# Altium PCB GEM_AFE_128.PcbDoc (part 4 of 18) (continued)
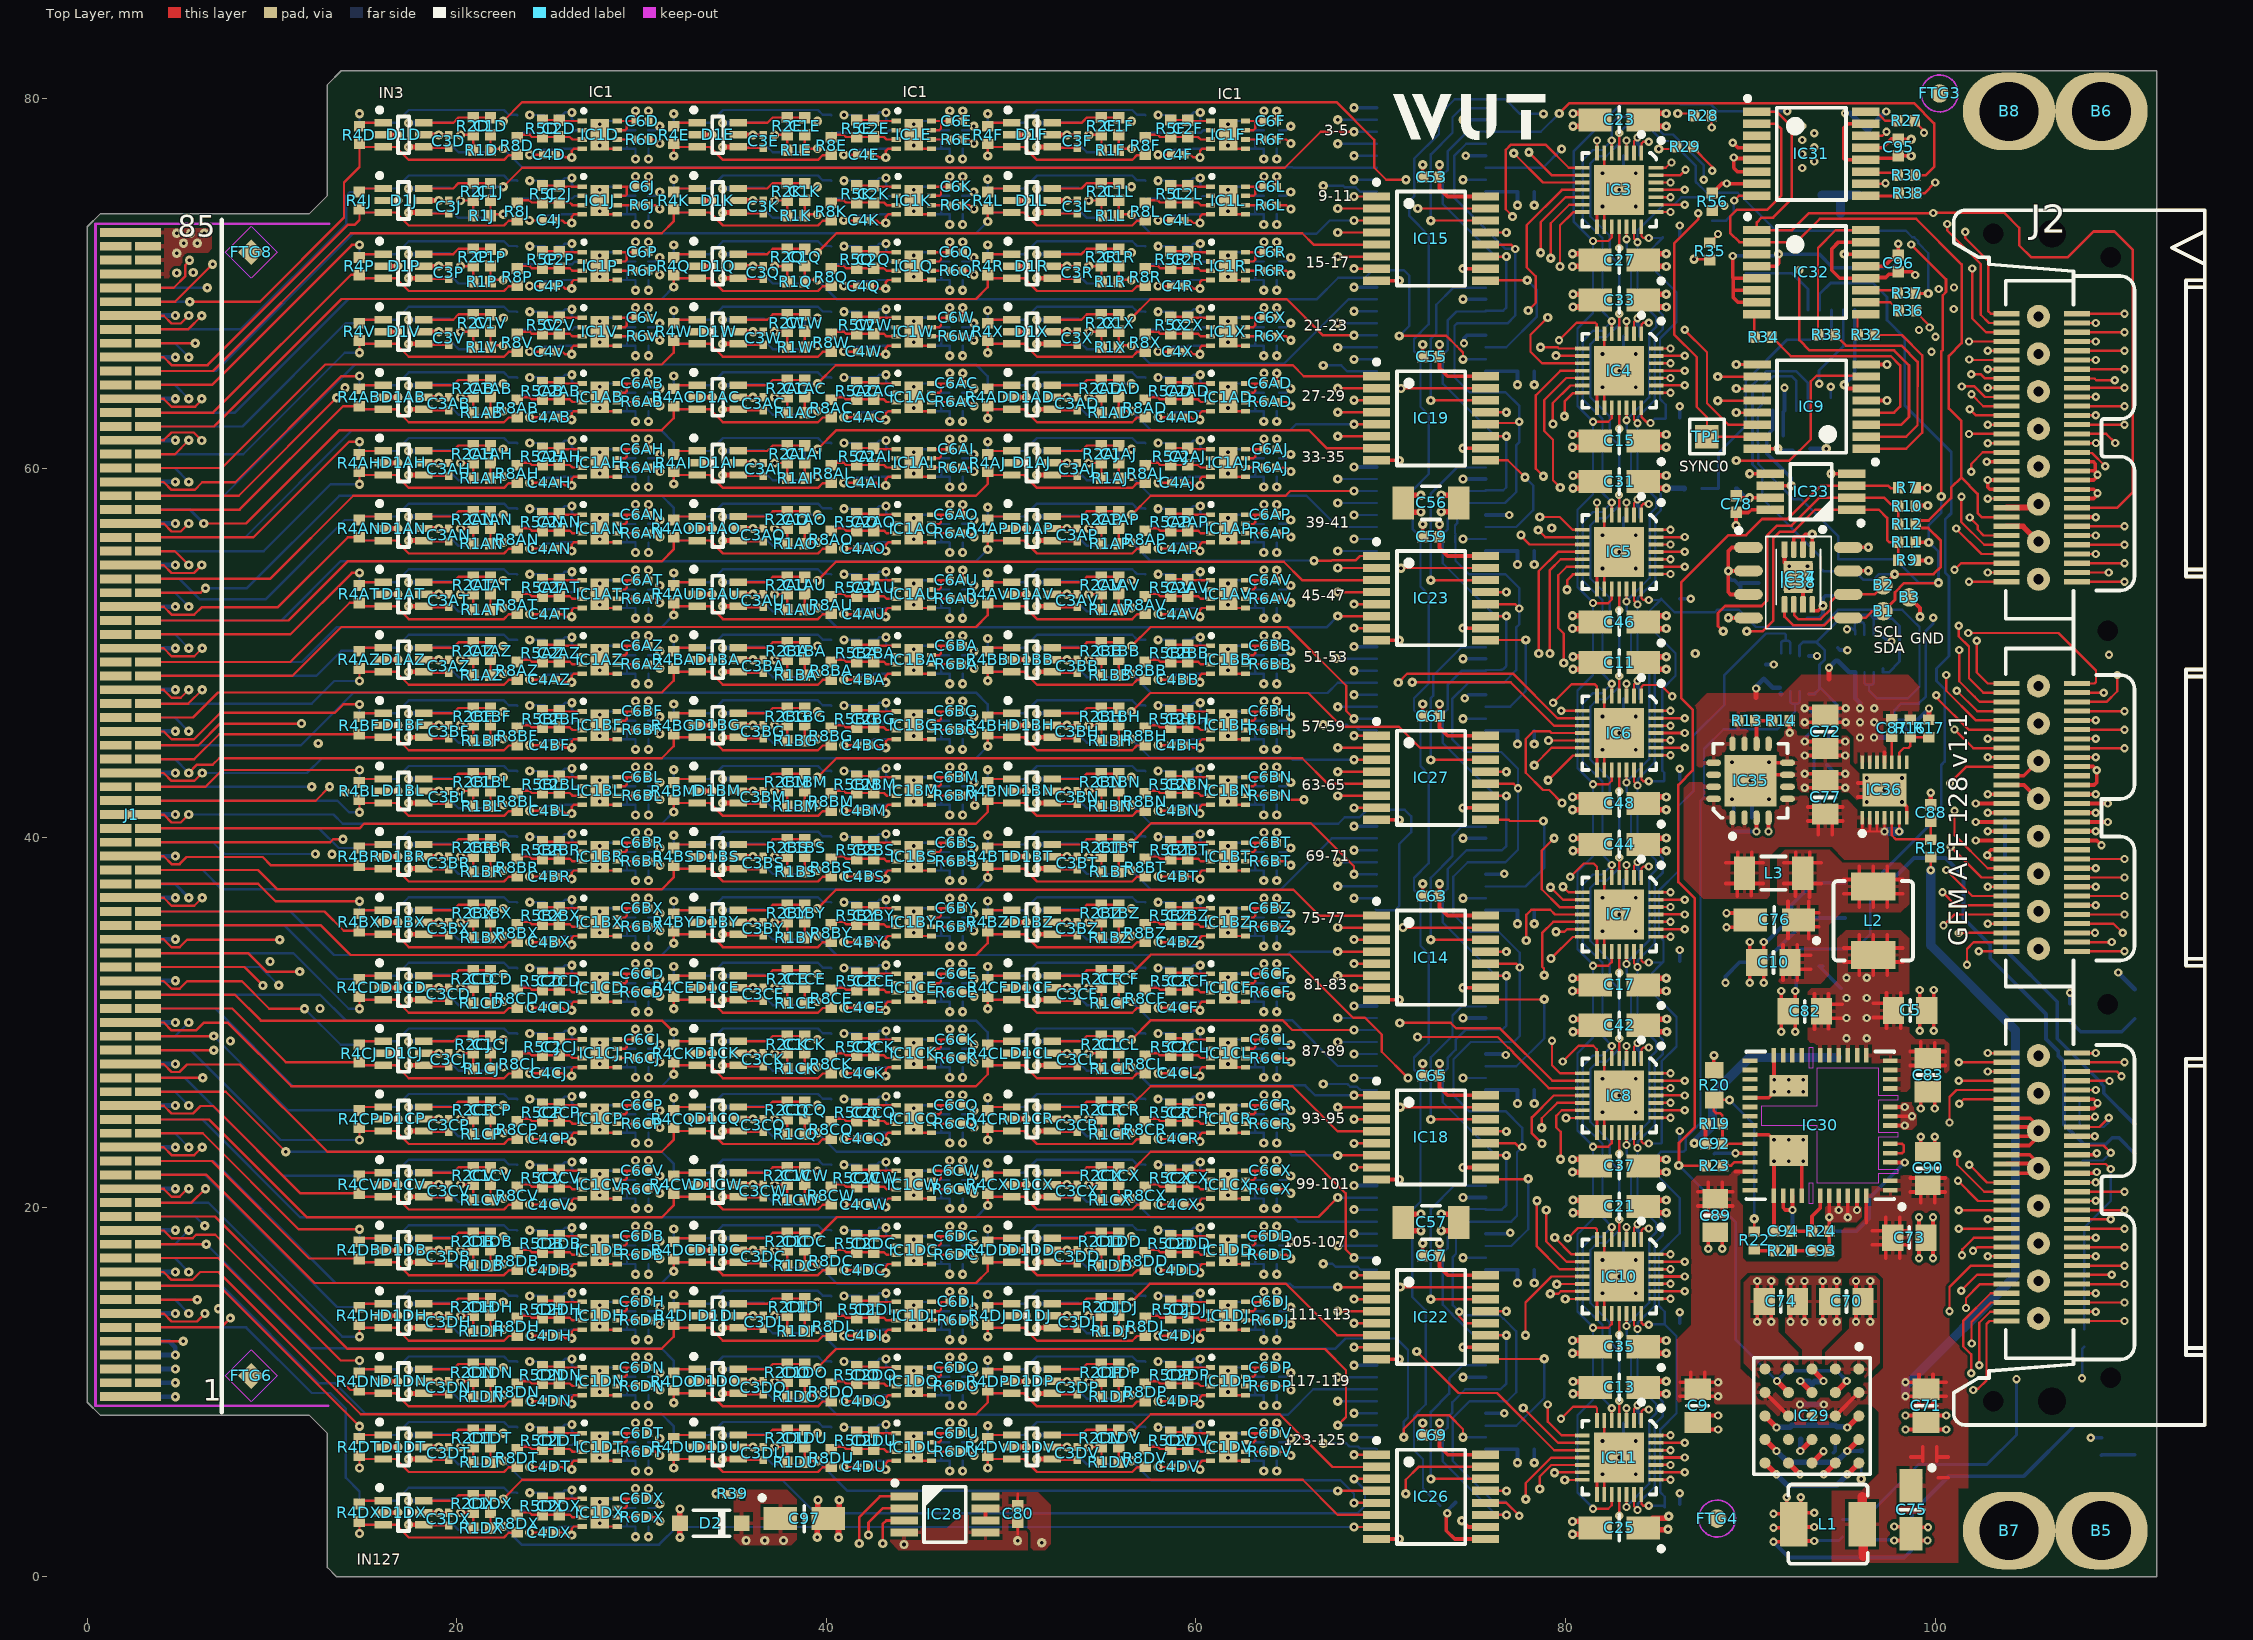
[diagram p0: Top Layer view]
## Components (designator, comment, footprint, x,y, rotation, side; value= is the part's Value field where it differs from the comment) (continued)
R5DG "10k" RESC1005X40N 58.639,13.785 r270 bottom (schematic designator R5)
R5DH "10k" RESC1005X40N 24.639,14.465 r90 top (schematic designator R5)
R5DI "10k" RESC1005X40N 41.639,14.465 r90 top (schematic designator R5)
R5DJ "10k" RESC1005X40N 58.639,14.465 r90 top (schematic designator R5)
R5DK "10k" RESC1005X40N 24.639,10.235 r270 bottom (schematic designator R5)
R5DL "10k" RESC1005X40N 41.639,10.235 r270 bottom (schematic designator R5)
R5DM "10k" RESC1005X40N 58.639,10.235 r270 bottom (schematic designator R5)
R5DN "10k" RESC1005X40N 24.639,10.915 r90 top (schematic designator R5)
R5DO "10k" RESC1005X40N 41.639,10.915 r90 top (schematic designator R5)
R5DP "10k" RESC1005X40N 58.639,10.915 r90 top (schematic designator R5)
R5DQ "10k" RESC1005X40N 24.639,6.685 r270 bottom (schematic designator R5)
R5DR "10k" RESC1005X40N 41.639,6.685 r270 bottom (schematic designator R5)
R5DS "10k" RESC1005X40N 58.639,6.685 r270 bottom (schematic designator R5)
R5DT "10k" RESC1005X40N 24.639,7.365 r90 top (schematic designator R5)
R5DU "10k" RESC1005X40N 41.639,7.365 r90 top (schematic designator R5)
R5DV "10k" RESC1005X40N 58.639,7.365 r90 top (schematic designator R5)
R5DW "10k" RESC1005X40N 24.639,3.135 r270 bottom (schematic designator R5)
R5DX "10k" RESC1005X40N 24.639,3.815 r90 top (schematic designator R5)
R5E "10k" RESC1005X40N 41.639,78.365 r90 top (schematic designator R5)
R5F "10k" RESC1005X40N 58.639,78.365 r90 top (schematic designator R5)
R5G "10k" RESC1005X40N 24.639,74.135 r270 bottom (schematic designator R5)
R5H "10k" RESC1005X40N 41.639,74.135 r270 bottom (schematic designator R5)
R5I "10k" RESC1005X40N 58.639,74.135 r270 bottom (schematic designator R5)
R5J "10k" RESC1005X40N 24.639,74.815 r90 top (schematic designator R5)
R5K "10k" RESC1005X40N 41.639,74.815 r90 top (schematic designator R5)
R5L "10k" RESC1005X40N 58.639,74.815 r90 top (schematic designator R5)
R5M "10k" RESC1005X40N 24.639,70.585 r270 bottom (schematic designator R5)
R5N "10k" RESC1005X40N 41.639,70.585 r270 bottom (schematic designator R5)
R5O "10k" RESC1005X40N 58.639,70.585 r270 bottom (schematic designator R5)
R5P "10k" RESC1005X40N 24.639,71.265 r90 top (schematic designator R5)
R5Q "10k" RESC1005X40N 41.639,71.265 r90 top (schematic designator R5)
R5R "10k" RESC1005X40N 58.639,71.265 r90 top (schematic designator R5)
R5S "10k" RESC1005X40N 24.639,67.035 r270 bottom (schematic designator R5)
R5T "10k" RESC1005X40N 41.639,67.035 r270 bottom (schematic designator R5)
R5U "10k" RESC1005X40N 58.639,67.035 r270 bottom (schematic designator R5)
R5V "10k" RESC1005X40N 24.639,67.715 r90 top (schematic designator R5)
R5W "10k" RESC1005X40N 41.639,67.715 r90 top (schematic designator R5)
R5X "10k" RESC1005X40N 58.639,67.715 r90 top (schematic designator R5)
R5Y "10k" RESC1005X40N 24.639,63.485 r270 bottom (schematic designator R5)
R5Z "10k" RESC1005X40N 41.639,63.485 r270 bottom (schematic designator R5)
R6A "49R9" RESC0603X28N 30.03,78.275 r0 bottom (schematic designator R6)
R6AA "49R9" RESC0603X28N 64.03,64.075 r0 bottom (schematic designator R6)
R6AB "49R9" RESC0603X28N 30.025,63.575 r0 top (schematic designator R6)
R6AC "49R9" RESC0603X28N 47.025,63.575 r0 top (schematic designator R6)
R6AD "49R9" RESC0603X28N 64.025,63.575 r0 top (schematic designator R6)
R6AE "49R9" RESC0603X28N 30.03,60.525 r0 bottom (schematic designator R6)
R6AF "49R9" RESC0603X28N 47.03,60.525 r0 bottom (schematic designator R6)
R6AG "49R9" RESC0603X28N 64.03,60.525 r0 bottom (schematic designator R6)
R6AH "49R9" RESC0603X28N 30.025,60.025 r0 top (schematic designator R6)
R6AI "49R9" RESC0603X28N 47.025,60.025 r0 top (schematic designator R6)
R6AJ "49R9" RESC0603X28N 64.025,60.025 r0 top (schematic designator R6)
R6AK "49R9" RESC0603X28N 30.03,56.975 r0 bottom (schematic designator R6)
R6AL "49R9" RESC0603X28N 47.03,56.975 r0 bottom (schematic designator R6)
R6AM "49R9" RESC0603X28N 64.03,56.975 r0 bottom (schematic designator R6)
R6AN "49R9" RESC0603X28N 30.025,56.475 r0 top (schematic designator R6)
R6AO "49R9" RESC0603X28N 47.025,56.475 r0 top (schematic designator R6)
R6AP "49R9" RESC0603X28N 64.025,56.475 r0 top (schematic designator R6)
R6AQ "49R9" RESC0603X28N 30.03,53.425 r0 bottom (schematic designator R6)
R6AR "49R9" RESC0603X28N 47.03,53.425 r0 bottom (schematic designator R6)
R6AS "49R9" RESC0603X28N 64.03,53.425 r0 bottom (schematic designator R6)
R6AT "49R9" RESC0603X28N 30.025,52.925 r0 top (schematic designator R6)
R6AU "49R9" RESC0603X28N 47.025,52.925 r0 top (schematic designator R6)
R6AV "49R9" RESC0603X28N 64.025,52.925 r0 top (schematic designator R6)
R6AW "49R9" RESC0603X28N 30.03,49.875 r0 bottom (schematic designator R6)
R6AX "49R9" RESC0603X28N 47.03,49.875 r0 bottom (schematic designator R6)
R6AY "49R9" RESC0603X28N 64.03,49.875 r0 bottom (schematic designator R6)
R6AZ "49R9" RESC0603X28N 30.025,49.375 r0 top (schematic designator R6)
R6B "49R9" RESC0603X28N 47.03,78.275 r0 bottom (schematic designator R6)
R6BA "49R9" RESC0603X28N 47.025,49.375 r0 top (schematic designator R6)
R6BB "49R9" RESC0603X28N 64.025,49.375 r0 top (schematic designator R6)
R6BC "49R9" RESC0603X28N 30.03,46.325 r0 bottom (schematic designator R6)
R6BD "49R9" RESC0603X28N 47.03,46.325 r0 bottom (schematic designator R6)
R6BE "49R9" RESC0603X28N 64.03,46.325 r0 bottom (schematic designator R6)
R6BF "49R9" RESC0603X28N 30.025,45.825 r0 top (schematic designator R6)
R6BG "49R9" RESC0603X28N 47.025,45.825 r0 top (schematic designator R6)
R6BH "49R9" RESC0603X28N 64.025,45.825 r0 top (schematic designator R6)
R6BI "49R9" RESC0603X28N 30.03,42.775 r0 bottom (schematic designator R6)
R6BJ "49R9" RESC0603X28N 47.03,42.775 r0 bottom (schematic designator R6)
R6BK "49R9" RESC0603X28N 64.03,42.775 r0 bottom (schematic designator R6)
R6BL "49R9" RESC0603X28N 30.025,42.275 r0 top (schematic designator R6)
R6BM "49R9" RESC0603X28N 47.025,42.275 r0 top (schematic designator R6)
R6BN "49R9" RESC0603X28N 64.025,42.275 r0 top (schematic designator R6)
R6BO "49R9" RESC0603X28N 30.03,39.225 r0 bottom (schematic designator R6)
R6BP "49R9" RESC0603X28N 47.03,39.225 r0 bottom (schematic designator R6)
R6BQ "49R9" RESC0603X28N 64.03,39.225 r0 bottom (schematic designator R6)
R6BR "49R9" RESC0603X28N 30.025,38.725 r0 top (schematic designator R6)
R6BS "49R9" RESC0603X28N 47.025,38.725 r0 top (schematic designator R6)
R6BT "49R9" RESC0603X28N 64.025,38.725 r0 top (schematic designator R6)
R6BU "49R9" RESC0603X28N 30.03,35.675 r0 bottom (schematic designator R6)
R6BV "49R9" RESC0603X28N 47.03,35.675 r0 bottom (schematic designator R6)
R6BW "49R9" RESC0603X28N 64.03,35.675 r0 bottom (schematic designator R6)
R6BX "49R9" RESC0603X28N 30.025,35.175 r0 top (schematic designator R6)
R6BY "49R9" RESC0603X28N 47.025,35.175 r0 top (schematic designator R6)
R6BZ "49R9" RESC0603X28N 64.025,35.175 r0 top (schematic designator R6)
R6C "49R9" RESC0603X28N 64.03,78.275 r0 bottom (schematic designator R6)
R6CA "49R9" RESC0603X28N 30.03,32.125 r0 bottom (schematic designator R6)
R6CB "49R9" RESC0603X28N 47.03,32.125 r0 bottom (schematic designator R6)
R6CC "49R9" RESC0603X28N 64.03,32.125 r0 bottom (schematic designator R6)
R6CD "49R9" RESC0603X28N 30.025,31.625 r0 top (schematic designator R6)
R6CE "49R9" RESC0603X28N 47.025,31.625 r0 top (schematic designator R6)
R6CF "49R9" RESC0603X28N 64.025,31.625 r0 top (schematic designator R6)
R6CG "49R9" RESC0603X28N 30.03,28.575 r0 bottom (schematic designator R6)
R6CH "49R9" RESC0603X28N 47.03,28.575 r0 bottom (schematic designator R6)
R6CI "49R9" RESC0603X28N 64.03,28.575 r0 bottom (schematic designator R6)
R6CJ "49R9" RESC0603X28N 30.025,28.075 r0 top (schematic designator R6)
R6CK "49R9" RESC0603X28N 47.025,28.075 r0 top (schematic designator R6)
R6CL "49R9" RESC0603X28N 64.025,28.075 r0 top (schematic designator R6)
R6CM "49R9" RESC0603X28N 30.03,25.025 r0 bottom (schematic designator R6)
R6CN "49R9" RESC0603X28N 47.03,25.025 r0 bottom (schematic designator R6)
R6CO "49R9" RESC0603X28N 64.03,25.025 r0 bottom (schematic designator R6)
R6CP "49R9" RESC0603X28N 30.025,24.525 r0 top (schematic designator R6)
R6CQ "49R9" RESC0603X28N 47.025,24.525 r0 top (schematic designator R6)
R6CR "49R9" RESC0603X28N 64.025,24.525 r0 top (schematic designator R6)
R6CS "49R9" RESC0603X28N 30.03,21.475 r0 bottom (schematic designator R6)
R6CT "49R9" RESC0603X28N 47.03,21.475 r0 bottom (schematic designator R6)
R6CU "49R9" RESC0603X28N 64.03,21.475 r0 bottom (schematic designator R6)
R6CV "49R9" RESC0603X28N 30.025,20.975 r0 top (schematic designator R6)
R6CW "49R9" RESC0603X28N 47.025,20.975 r0 top (schematic designator R6)
R6CX "49R9" RESC0603X28N 64.025,20.975 r0 top (schematic designator R6)
R6CY "49R9" RESC0603X28N 30.03,17.925 r0 bottom (schematic designator R6)
R6CZ "49R9" RESC0603X28N 47.03,17.925 r0 bottom (schematic designator R6)
R6D "49R9" RESC0603X28N 30.025,77.775 r0 top (schematic designator R6)
R6DA "49R9" RESC0603X28N 64.03,17.925 r0 bottom (schematic designator R6)
R6DB "49R9" RESC0603X28N 30.025,17.425 r0 top (schematic designator R6)
R6DC "49R9" RESC0603X28N 47.025,17.425 r0 top (schematic designator R6)
R6DD "49R9" RESC0603X28N 64.025,17.425 r0 top (schematic designator R6)
R6DE "49R9" RESC0603X28N 30.03,14.375 r0 bottom (schematic designator R6)
R6DF "49R9" RESC0603X28N 47.03,14.375 r0 bottom (schematic designator R6)
R6DG "49R9" RESC0603X28N 64.03,14.375 r0 bottom (schematic designator R6)
R6DH "49R9" RESC0603X28N 30.025,13.875 r0 top (schematic designator R6)
R6DI "49R9" RESC0603X28N 47.025,13.875 r0 top (schematic designator R6)
R6DJ "49R9" RESC0603X28N 64.025,13.875 r0 top (schematic designator R6)
R6DK "49R9" RESC0603X28N 30.03,10.825 r0 bottom (schematic designator R6)
R6DL "49R9" RESC0603X28N 47.03,10.825 r0 bottom (schematic designator R6)
R6DM "49R9" RESC0603X28N 64.03,10.825 r0 bottom (schematic designator R6)
R6DN "49R9" RESC0603X28N 30.025,10.325 r0 top (schematic designator R6)
R6DO "49R9" RESC0603X28N 47.025,10.325 r0 top (schematic designator R6)
R6DP "49R9" RESC0603X28N 64.025,10.325 r0 top (schematic designator R6)
R6DQ "49R9" RESC0603X28N 30.03,7.275 r0 bottom (schematic designator R6)
R6DR "49R9" RESC0603X28N 47.03,7.275 r0 bottom (schematic designator R6)
R6DS "49R9" RESC0603X28N 64.03,7.275 r0 bottom (schematic designator R6)
R6DT "49R9" RESC0603X28N 30.025,6.775 r0 top (schematic designator R6)
R6DU "49R9" RESC0603X28N 47.025,6.775 r0 top (schematic designator R6)
R6DV "49R9" RESC0603X28N 64.025,6.775 r0 top (schematic designator R6)
R6DW "49R9" RESC0603X28N 30.03,3.725 r0 bottom (schematic designator R6)
R6DX "49R9" RESC0603X28N 30.025,3.225 r0 top (schematic designator R6)
R6E "49R9" RESC0603X28N 47.025,77.775 r0 top (schematic designator R6)
R6F "49R9" RESC0603X28N 64.025,77.775 r0 top (schematic designator R6)
R6G "49R9" RESC0603X28N 30.03,74.725 r0 bottom (schematic designator R6)
R6H "49R9" RESC0603X28N 47.03,74.725 r0 bottom (schematic designator R6)
R6I "49R9" RESC0603X28N 64.03,74.725 r0 bottom (schematic designator R6)
R6J "49R9" RESC0603X28N 30.025,74.225 r0 top (schematic designator R6)
R6K "49R9" RESC0603X28N 47.025,74.225 r0 top (schematic designator R6)
R6L "49R9" RESC0603X28N 64.025,74.225 r0 top (schematic designator R6)
R6M "49R9" RESC0603X28N 30.03,71.175 r0 bottom (schematic designator R6)
R6N "49R9" RESC0603X28N 47.03,71.175 r0 bottom (schematic designator R6)
R6O "49R9" RESC0603X28N 64.03,71.175 r0 bottom (schematic designator R6)
R6P "49R9" RESC0603X28N 30.025,70.675 r0 top (schematic designator R6)
R6Q "49R9" RESC0603X28N 47.025,70.675 r0 top (schematic designator R6)
R6R "49R9" RESC0603X28N 64.025,70.675 r0 top (schematic designator R6)
R6S "49R9" RESC0603X28N 30.03,67.625 r0 bottom (schematic designator R6)
R6T "49R9" RESC0603X28N 47.03,67.625 r0 bottom (schematic designator R6)
R6U "49R9" RESC0603X28N 64.03,67.625 r0 bottom (schematic designator R6)
R6V "49R9" RESC0603X28N 30.025,67.125 r0 top (schematic designator R6)
R6W "49R9" RESC0603X28N 47.025,67.125 r0 top (schematic designator R6)
R6X "49R9" RESC0603X28N 64.025,67.125 r0 top (schematic designator R6)
R6Y "49R9" RESC0603X28N 30.03,64.075 r0 bottom (schematic designator R6)
R6Z "49R9" RESC0603X28N 47.03,64.075 r0 bottom (schematic designator R6)
R7 "10k" RESC1005X40N 98.475,58.923 r0 top
R8A "22" RESC1005X40N 23.266,78.487 r270 bottom (schematic designator R8)
R8AA "22" RESC1005X40N 57.266,64.287 r270 bottom (schematic designator R8)
R8AB "22" RESC1005X40N 23.266,63.23 r90 top (schematic designator R8)
R8AC "22" RESC1005X40N 40.266,63.23 r90 top (schematic designator R8)
R8AD "22" RESC1005X40N 57.266,63.23 r90 top (schematic designator R8)
R8AE "22" RESC1005X40N 23.266,60.737 r270 bottom (schematic designator R8)
R8AF "22" RESC1005X40N 40.266,60.737 r270 bottom (schematic designator R8)
R8AG "22" RESC1005X40N 57.266,60.737 r270 bottom (schematic designator R8)
R8AH "22" RESC1005X40N 23.266,59.68 r90 top (schematic designator R8)
R8AI "22" RESC1005X40N 40.266,59.68 r90 top (schematic designator R8)
R8AJ "22" RESC1005X40N 57.266,59.68 r90 top (schematic designator R8)
R8AK "22" RESC1005X40N 23.266,57.187 r270 bottom (schematic designator R8)
R8AL "22" RESC1005X40N 40.266,57.187 r270 bottom (schematic designator R8)
R8AM "22" RESC1005X40N 57.266,57.187 r270 bottom (schematic designator R8)
R8AN "22" RESC1005X40N 23.266,56.13 r90 top (schematic designator R8)
R8AO "22" RESC1005X40N 40.266,56.13 r90 top (schematic designator R8)
R8AP "22" RESC1005X40N 57.266,56.13 r90 top (schematic designator R8)
R8AQ "22" RESC1005X40N 23.266,53.637 r270 bottom (schematic designator R8)
R8AR "22" RESC1005X40N 40.266,53.637 r270 bottom (schematic designator R8)
R8AS "22" RESC1005X40N 57.266,53.637 r270 bottom (schematic designator R8)
R8AT "22" RESC1005X40N 23.266,52.58 r90 top (schematic designator R8)
R8AU "22" RESC1005X40N 40.266,52.58 r90 top (schematic designator R8)
R8AV "22" RESC1005X40N 57.266,52.58 r90 top (schematic designator R8)
R8AW "22" RESC1005X40N 23.266,50.087 r270 bottom (schematic designator R8)
R8AX "22" RESC1005X40N 40.266,50.087 r270 bottom (schematic designator R8)
R8AY "22" RESC1005X40N 57.266,50.087 r270 bottom (schematic designator R8)
R8AZ "22" RESC1005X40N 23.266,49.03 r90 top (schematic designator R8)
R8B "22" RESC1005X40N 40.266,78.487 r270 bottom (schematic designator R8)
R8BA "22" RESC1005X40N 40.266,49.03 r90 top (schematic designator R8)
R8BB "22" RESC1005X40N 57.266,49.03 r90 top (schematic designator R8)
R8BC "22" RESC1005X40N 23.266,46.537 r270 bottom (schematic designator R8)
R8BD "22" RESC1005X40N 40.266,46.537 r270 bottom (schematic designator R8)
R8BE "22" RESC1005X40N 57.266,46.537 r270 bottom (schematic designator R8)
R8BF "22" RESC1005X40N 23.266,45.48 r90 top (schematic designator R8)
R8BG "22" RESC1005X40N 40.266,45.48 r90 top (schematic designator R8)
R8BH "22" RESC1005X40N 57.266,45.48 r90 top (schematic designator R8)
R8BI "22" RESC1005X40N 23.266,42.987 r270 bottom (schematic designator R8)
R8BJ "22" RESC1005X40N 40.266,42.987 r270 bottom (schematic designator R8)
R8BK "22" RESC1005X40N 57.266,42.987 r270 bottom (schematic designator R8)
R8BL "22" RESC1005X40N 23.266,41.93 r90 top (schematic designator R8)
R8BM "22" RESC1005X40N 40.266,41.93 r90 top (schematic designator R8)
R8BN "22" RESC1005X40N 57.266,41.93 r90 top (schematic designator R8)
R8BO "22" RESC1005X40N 23.266,39.437 r270 bottom (schematic designator R8)
R8BP "22" RESC1005X40N 40.266,39.437 r270 bottom (schematic designator R8)
R8BQ "22" RESC1005X40N 57.266,39.437 r270 bottom (schematic designator R8)
R8BR "22" RESC1005X40N 23.266,38.38 r90 top (schematic designator R8)
R8BS "22" RESC1005X40N 40.266,38.38 r90 top (schematic designator R8)
R8BT "22" RESC1005X40N 57.266,38.38 r90 top (schematic designator R8)
R8BU "22" RESC1005X40N 23.266,35.887 r270 bottom (schematic designator R8)
R8BV "22" RESC1005X40N 40.266,35.887 r270 bottom (schematic designator R8)
R8BW "22" RESC1005X40N 57.266,35.887 r270 bottom (schematic designator R8)
R8BX "22" RESC1005X40N 23.266,34.83 r90 top (schematic designator R8)
R8BY "22" RESC1005X40N 40.266,34.83 r90 top (schematic designator R8)
R8BZ "22" RESC1005X40N 57.266,34.83 r90 top (schematic designator R8)
R8C "22" RESC1005X40N 57.266,78.487 r270 bottom (schematic designator R8)
R8CA "22" RESC1005X40N 23.266,32.337 r270 bottom (schematic designator R8)
R8CB "22" RESC1005X40N 40.266,32.337 r270 bottom (schematic designator R8)
R8CC "22" RESC1005X40N 57.266,32.337 r270 bottom (schematic designator R8)
R8CD "22" RESC1005X40N 23.266,31.28 r90 top (schematic designator R8)
R8CE "22" RESC1005X40N 40.266,31.28 r90 top (schematic designator R8)
R8CF "22" RESC1005X40N 57.266,31.28 r90 top (schematic designator R8)
R8CG "22" RESC1005X40N 23.266,28.787 r270 bottom (schematic designator R8)
R8CH "22" RESC1005X40N 40.266,28.787 r270 bottom (schematic designator R8)
R8CI "22" RESC1005X40N 57.266,28.787 r270 bottom (schematic designator R8)
R8CJ "22" RESC1005X40N 23.266,27.73 r90 top (schematic designator R8)
R8CK "22" RESC1005X40N 40.266,27.73 r90 top (schematic designator R8)
R8CL "22" RESC1005X40N 57.266,27.73 r90 top (schematic designator R8)
R8CM "22" RESC1005X40N 23.266,25.237 r270 bottom (schematic designator R8)
R8CN "22" RESC1005X40N 40.266,25.237 r270 bottom (schematic designator R8)
R8CO "22" RESC1005X40N 57.266,25.237 r270 bottom (schematic designator R8)
R8CP "22" RESC1005X40N 23.266,24.18 r90 top (schematic designator R8)
R8CQ "22" RESC1005X40N 40.266,24.18 r90 top (schematic designator R8)
R8CR "22" RESC1005X40N 57.266,24.18 r90 top (schematic designator R8)
R8CS "22" RESC1005X40N 23.266,21.687 r270 bottom (schematic designator R8)
R8CT "22" RESC1005X40N 40.266,21.687 r270 bottom (schematic designator R8)
R8CU "22" RESC1005X40N 57.266,21.687 r270 bottom (schematic designator R8)
R8CV "22" RESC1005X40N 23.266,20.63 r90 top (schematic designator R8)
R8CW "22" RESC1005X40N 40.266,20.63 r90 top (schematic designator R8)
R8CX "22" RESC1005X40N 57.266,20.63 r90 top (schematic designator R8)
R8CY "22" RESC1005X40N 23.266,18.137 r270 bottom (schematic designator R8)
R8CZ "22" RESC1005X40N 40.266,18.137 r270 bottom (schematic designator R8)
R8D "22" RESC1005X40N 23.266,77.43 r90 top (schematic designator R8)
R8DA "22" RESC1005X40N 57.266,18.137 r270 bottom (schematic designator R8)
R8DB "22" RESC1005X40N 23.266,17.08 r90 top (schematic designator R8)
R8DC "22" RESC1005X40N 40.266,17.08 r90 top (schematic designator R8)
R8DD "22" RESC1005X40N 57.266,17.08 r90 top (schematic designator R8)
R8DE "22" RESC1005X40N 23.266,14.587 r270 bottom (schematic designator R8)
R8DF "22" RESC1005X40N 40.266,14.587 r270 bottom (schematic designator R8)
R8DG "22" RESC1005X40N 57.266,14.587 r270 bottom (schematic designator R8)
R8DH "22" RESC1005X40N 23.266,13.53 r90 top (schematic designator R8)
R8DI "22" RESC1005X40N 40.266,13.53 r90 top (schematic designator R8)
R8DJ "22" RESC1005X40N 57.266,13.53 r90 top (schematic designator R8)
R8DK "22" RESC1005X40N 23.266,11.037 r270 bottom (schematic designator R8)
R8DL "22" RESC1005X40N 40.266,11.037 r270 bottom (schematic designator R8)
R8DM "22" RESC1005X40N 57.266,11.037 r270 bottom (schematic designator R8)
R8DN "22" RESC1005X40N 23.266,9.98 r90 top (schematic designator R8)
R8DO "22" RESC1005X40N 40.266,9.98 r90 top (schematic designator R8)
R8DP "22" RESC1005X40N 57.266,9.98 r90 top (schematic designator R8)
R8DQ "22" RESC1005X40N 23.266,7.487 r270 bottom (schematic designator R8)
R8DR "22" RESC1005X40N 40.266,7.487 r270 bottom (schematic designator R8)
R8DS "22" RESC1005X40N 57.266,7.487 r270 bottom (schematic designator R8)
R8DT "22" RESC1005X40N 23.266,6.43 r90 top (schematic designator R8)
R8DU "22" RESC1005X40N 40.266,6.43 r90 top (schematic designator R8)
R8DV "22" RESC1005X40N 57.266,6.43 r90 top (schematic designator R8)
R8DW "22" RESC1005X40N 23.266,3.937 r270 bottom (schematic designator R8)
R8DX "22" RESC1005X40N 23.266,2.88 r90 top (schematic designator R8)
R8E "22" RESC1005X40N 40.266,77.43 r90 top (schematic designator R8)
R8F "22" RESC1005X40N 57.266,77.43 r90 top (schematic designator R8)
R8G "22" RESC1005X40N 23.266,74.937 r270 bottom (schematic designator R8)
R8H "22" RESC1005X40N 40.266,74.937 r270 bottom (schematic designator R8)
R8I "22" RESC1005X40N 57.266,74.937 r270 bottom (schematic designator R8)
R8J "22" RESC1005X40N 23.266,73.88 r90 top (schematic designator R8)
R8K "22" RESC1005X40N 40.266,73.88 r90 top (schematic designator R8)
R8L "22" RESC1005X40N 57.266,73.88 r90 top (schematic designator R8)
R8M "22" RESC1005X40N 23.266,71.387 r270 bottom (schematic designator R8)
R8N "22" RESC1005X40N 40.266,71.387 r270 bottom (schematic designator R8)
R8O "22" RESC1005X40N 57.266,71.387 r270 bottom (schematic designator R8)
R8P "22" RESC1005X40N 23.266,70.33 r90 top (schematic designator R8)
R8Q "22" RESC1005X40N 40.266,70.33 r90 top (schematic designator R8)
R8R "22" RESC1005X40N 57.266,70.33 r90 top (schematic designator R8)
R8S "22" RESC1005X40N 23.266,67.837 r270 bottom (schematic designator R8)
R8T "22" RESC1005X40N 40.266,67.837 r270 bottom (schematic designator R8)
R8U "22" RESC1005X40N 57.266,67.837 r270 bottom (schematic designator R8)
R8V "22" RESC1005X40N 23.266,66.78 r90 top (schematic designator R8)
R8W "22" RESC1005X40N 40.266,66.78 r90 top (schematic designator R8)
R8X "22" RESC1005X40N 57.266,66.78 r90 top (schematic designator R8)
R8Y "22" RESC1005X40N 23.266,64.287 r270 bottom (schematic designator R8)
R8Z "22" RESC1005X40N 40.266,64.287 r270 bottom (schematic designator R8)
R9 "10k" RESC1005X40N 98.475,54.998 r0 top
R10 "10k" RESC1005X40N 98.475,57.941 r0 top
R11 "0" RESC1005X40N 98.475,55.979 r0 top
R12 "0" RESC1005X40N 98.475,56.96 r0 top
R13 "56k" RESC1005X40N 89.805,46.328 r180 top
R14 "10k" RESC1005X40N 91.655,46.328 r180 top
R15 "6K04" RESC1005X40N 96,6.35 r90 bottom
R16 "56k" RESC1005X40N 98.654,45.907 r90 top
R17 "12k4" RESC1005X40N 99.662,45.907 r270 top
R18 "0" RESC1005X40N 99.755,39.418 r90 top
R19 "5k6" RESC1005X40N 88.041,24.525 r180 top
R20 "1k6" RESC1608X55N 88.041,26.605 r270 top
R21 "10k" RESC1005X40N 91.75,17.65 r180 top
R22 "10k" RESC1005X40N 90.2,18.2 r90 top
R23 "1k6" RESC1005X40N 88.05,22.25 r0 top
R24 "1k6" RESC1005X40N 93.8,18.7 r0 top
R25 "Undefined" RESC1005X40N 93.2,7.45 r180 bottom
R26 "130" RESC1005X40N 108.076,12.926 r270 bottom
R27 "130" RESC1005X40N 98.422,78.793 r180 top
R28 "130" RESC1005X40N 87.433,79.068 r0 top
R29 "130" RESC1005X40N 86.448,77.387 r0 top
R30 "130" RESC1005X40N 98.45,75.85 r0 top
R31 "130" RESC1005X40N 87.946,73.854 r90 bottom
R32 "130" RESC1005X40N 96.266,67.2 r180 top
R33 "130" RESC1005X40N 94.126,67.2 r180 top
R34 "130" RESC1005X40N 90.689,67.087 r0 top
R35 "130" RESC1005X40N 87.803,71.725 r90 top
R36 "130" RESC1005X40N 98.504,68.507 r180 top
R37 "130" RESC1005X40N 98.45,69.45 r0 top
R38 "130" RESC1005X40N 98.506,74.864 r0 top
R39 "49R9" RESC0603X28N 34.902,4.488 r0 top
R40 "12k" RESC1005X40N 94.262,46.286 r90 bottom
R41 "1k" RESC1005X40N 103.776,38.483 r90 bottom
R42 "10k" RESC1005X40N 94.126,44.422 r90 bottom
R43 "10k" RESC1005X40N 109,7.05 r270 bottom
R44 "1k" RESC1005X40N 107.3,30.55 r270 bottom
R45 "10k" RESC1005X40N 92.699,35.679 r0 bottom
R46 "1k6" RESC1005X40N 93.724,33.507 r270 bottom
R47 "1k3" RESC1005X40N 86.903,58.888 r180 bottom
R48 "7k5" RESC1005X40N 94.99,2.63 r270 bottom
R49 "1k3" RESC1005X40N 97.79,45.907 r270 bottom
R50 "1k3" RESC1005X40N 90.65,71.011 r90 bottom
R51 "2k" RESC1005X40N 92.598,33.5 r90 bottom
R52 "2k" RESC1005X40N 88.739,58.888 r180 bottom
R53 "1k5" RESC1005X40N 96.115,2.617 r90 bottom
R54 "2k" RESC1005X40N 99.024,45.92 r270 bottom
R55 "2k" RESC1005X40N 89.75,71.011 r270 bottom
R56 "10k" RESC1005X40N 87.946,74.407 r90 top
T1 "BSS138LT1G" SOT95P240X110-3N 96.266,36.6 r0 bottom
TP1 "Test Point" TPS127 87.65,61.7 r0 top
TP2 "TP" TP 88.05,22.9 r90 bottom
TP3 "TP" TP 92.25,18.7 r90 bottom
TP4 "SMD Pad" C100#2 107.809,25.926 r0 bottom
TP5 "SMD Pad" C100#2 107.975,22.529 r0 bottom
U1 "TSZ182IQ2T" DFN8+EP_N 96.425,49.97 r0 bottom
U2 "TSZ182IQ2T" DFN8+EP_N 92.414,48.948 r0 bottom

## Footprints (in the part's own frame and the unit in brackets; to place one, negate y for a bottom-side part, rotate by r counter-clockwise, add the part's x,y. Pads: shape width x height; smd on the part's side, far side on the other; paste and mask are expansions set on the pad)
"16 QSOP" [mil]
  rect 57.5x14 smd paste+0 mask+0: 1(-107.25,87.5) 2(-107.25,62.5) 3(-107.25,37.5) 4(-107.25,12.5) 5(-107.25,-12.5) 6(-107.25,-37.5) 7(-107.25,-62.5) 8(-107.25,-87.5) 9(107.25,-87.5) 10(107.25,-62.5) 11(107.25,-37.5) 12(107.25,-12.5) 13(107.25,12.5) 14(107.25,37.5) 15(107.25,62.5) 16(107.25,87.5)
  silkscreen extent -162,-103 69,103, body extent -122,-98 122,98, height 69
BGA25C127P5X5_625X625X262 [mm] "BGA, 1.27mm Pitch, Square; 25 Pin, 5 Columns X 5 Rows, 6.25mm X 6.25mm X 2.62mm H"
  round 0.6 smd: A1(-2.54,2.54) A2(-1.27,2.54) A3(0,2.54) A4(1.27,2.54) A5(2.54,2.54) B1(-2.54,1.27) B2(-1.27,1.27) B3(0,1.27) B4(1.27,1.27) B5(2.54,1.27) C1(-2.54,0) C2(-1.27,0) C3(0,0) C4(1.27,0) C5(2.54,0) D1(-2.54,-1.27) D2(-1.27,-1.27) D3(0,-1.27) D4(1.27,-1.27) D5(2.54,-1.27) E1(-2.54,-2.54) E2(-1.27,-2.54) E3(0,-2.54) E4(1.27,-2.54) E5(2.54,-2.54)
  silkscreen extent -3.87,-3.15 3.15,3.15, body extent -3.12,-3.12 3.13,3.13, height 2.62
C100#1 [mm] "1mm Diameter SMD Pad"
  round 1 smd paste-1: 1(0,0)
C100#2 [mm] "1mm Diameter SMD Pad"
  round 1 smd paste-0.5: 1(0,0)
CAPC0603X33N#1 [mm] "Chip Capacitor, Body 0.6x0.30mm, IPC Medium Density"
  rect 0.45x0.4 smd: 1(-0.35,0) 2(0.35,0)
  body extent -0.31,-0.16 0.32,0.17, height 0.33
CAPC0603X33N#2 [mm] "Chip Capacitor, Body 0.6x0.30mm, IPC Medium Density"
  rect 0.5x0.45 smd paste-0.025 mask-0.025: 1(-0.35,0) 2(0.35,0)
  body extent -0.31,-0.16 0.32,0.17, height 0.33
CAPC1005X55N [mm] "Capacitor, Non-Polarized, Chip; 1.00mm L X 0.50mm W X 0.70mm H, IPC Medium Density"
  rect 0.62x0.62 smd: 1(-0.45,0) 2(0.45,0)
  body extent -0.52,-0.27 0.53,0.28, height 0.55
CAPC2012X135N [mm] "Chip Capacitor, Body 2.0x1.25mm, IPC Medium Density"
  rect 1.05x1.4 smd: 1(-0.9,0) 2(0.9,0)
  silkscreen extent 0,-0.58 0,0.58, body extent -1.05,-0.67 1.05,0.68, height 1.25
CAPC2012X145N [mm] "Chip Capacitor, Body 2.0x1.45mm, IPC Medium Density"
  rect 1.15x1.45 smd: 1(-0.9,0) 2(0.9,0)
  silkscreen extent 0,-0.57 0,0.58, body extent -1.05,-0.67 1.05,0.68, height 1.45
CAPC3216X140N [mm] "Chip Capacitor, Body 3.2x1.6mm, IPC Medium Density"
  rect 1.15x1.8 smd: 1(-1.5,0) 2(1.5,0)
  silkscreen extent -0.5,-0.9 0.5,0.9, body extent -1.7,-0.9 1.7,0.9, height 1.4
CAPMP3216X180N [mm] "Capacitor, Polarized, Molded  Body 3.2x1.6mm, IPC Medium Density"
  rect 1.8x1.25 smd: 1(-1.3,0) 2(1.3,0)
  silkscreen extent -2.4,-0.7 0,1.25, body extent -1.7,-0.9 1.7,0.9, height 1.6
DFN8+EP_N [mm] "DFN, 8-Leads, Body 2,00x2,00mm, Pitch 0,50mm, Thermal Pad 0.9x1.6mm, IPC Medium Density"
  rect 0.3x0.75 smd: 1(-0.75,-1.025) 2(-0.25,-1.025) 3(0.25,-1.025) 4(0.75,-1.025) 5(0.75,1.025) 6(0.25,1.025) 7(-0.25,1.025) 8(-0.75,1.025)
  rect 1.6x0.9 smd: EP(0,0)
  silkscreen extent -1.62,-1.52 1.2,1, body extent -1,-1.01 1,1.01, height 0.97
FIDUCIAL_TOP_C100-200 [mm] "Round Fiducial Target, Top Layer, 1.0mm, Top Solder 2.0mm, Keepout =2.0mm"
  round 1 smd paste-0.51 mask+0.5: FTG2(0,0)
  Top Layer keep-out circle w0.1: c0,0 r1
FIDUCIAL_TOP_S100-200 [mm] "Square Fiducial Target, Top Layer, 1.0mm, Top Solder 2.0mm, Keepout =2.0mm"
  rect 1x1 smd rot 45 paste-0.51 mask+0.5: 1(0,0)
  Top Layer keep-out region: 1.414,0 0,-1.414 -1.414,0 0,1.414
IND_BOURNS_SRP4020TA [mm] "SMD Inductor Body Width 4.7mm Body Lenght 4.3mm Height 2mm"
  rect 1.5x2.4 smd: 1(-1.85,0) 2(1.85,0)
  silkscreen extent -2.15,-2.15 2.15,2.15, body extent -2.35,-2.15 2.35,2.15, height 2
IND_MURATA_BLM31KN [mm] "Chip Ferrite Bead, 3.20mm L X 1.6mm W, BLM31KN Series"
  rect 1.15x1.8 smd: 1(-1.575,0) 2(1.575,0)
  silkscreen extent -0.65,-0.9 0.65,0.9, body extent -1.6,-0.8 1.6,0.8, height 1.6
INDC1608X95N [mm] "Chip Inductor, 2-Leads, EIA 0603, Metric 1608, Body 1.6x0.8mm, IPC Medium Density"
  rect 0.95x1 smd: 1(-0.8,0) 2(0.8,0)
  body extent -0.87,-0.47 0.88,0.48, height 0.95
LED_KINGBRIGHT_KPA-1606CGCK [mm] "SMT Green LED, Right Angle Mount, Body L 1.6 x W 0.6mm H 1.2mm"
  rect 0.9x1 smd: 1(-0.8,0) 2(0.8,0)
  silkscreen extent -1.92,-0.12 0.46,0.9, body extent -0.8,-0.3 0.8,0.6, height 0.6